# KiCad board rgbwstrip120_250_panel.kicad_pcb (continued)
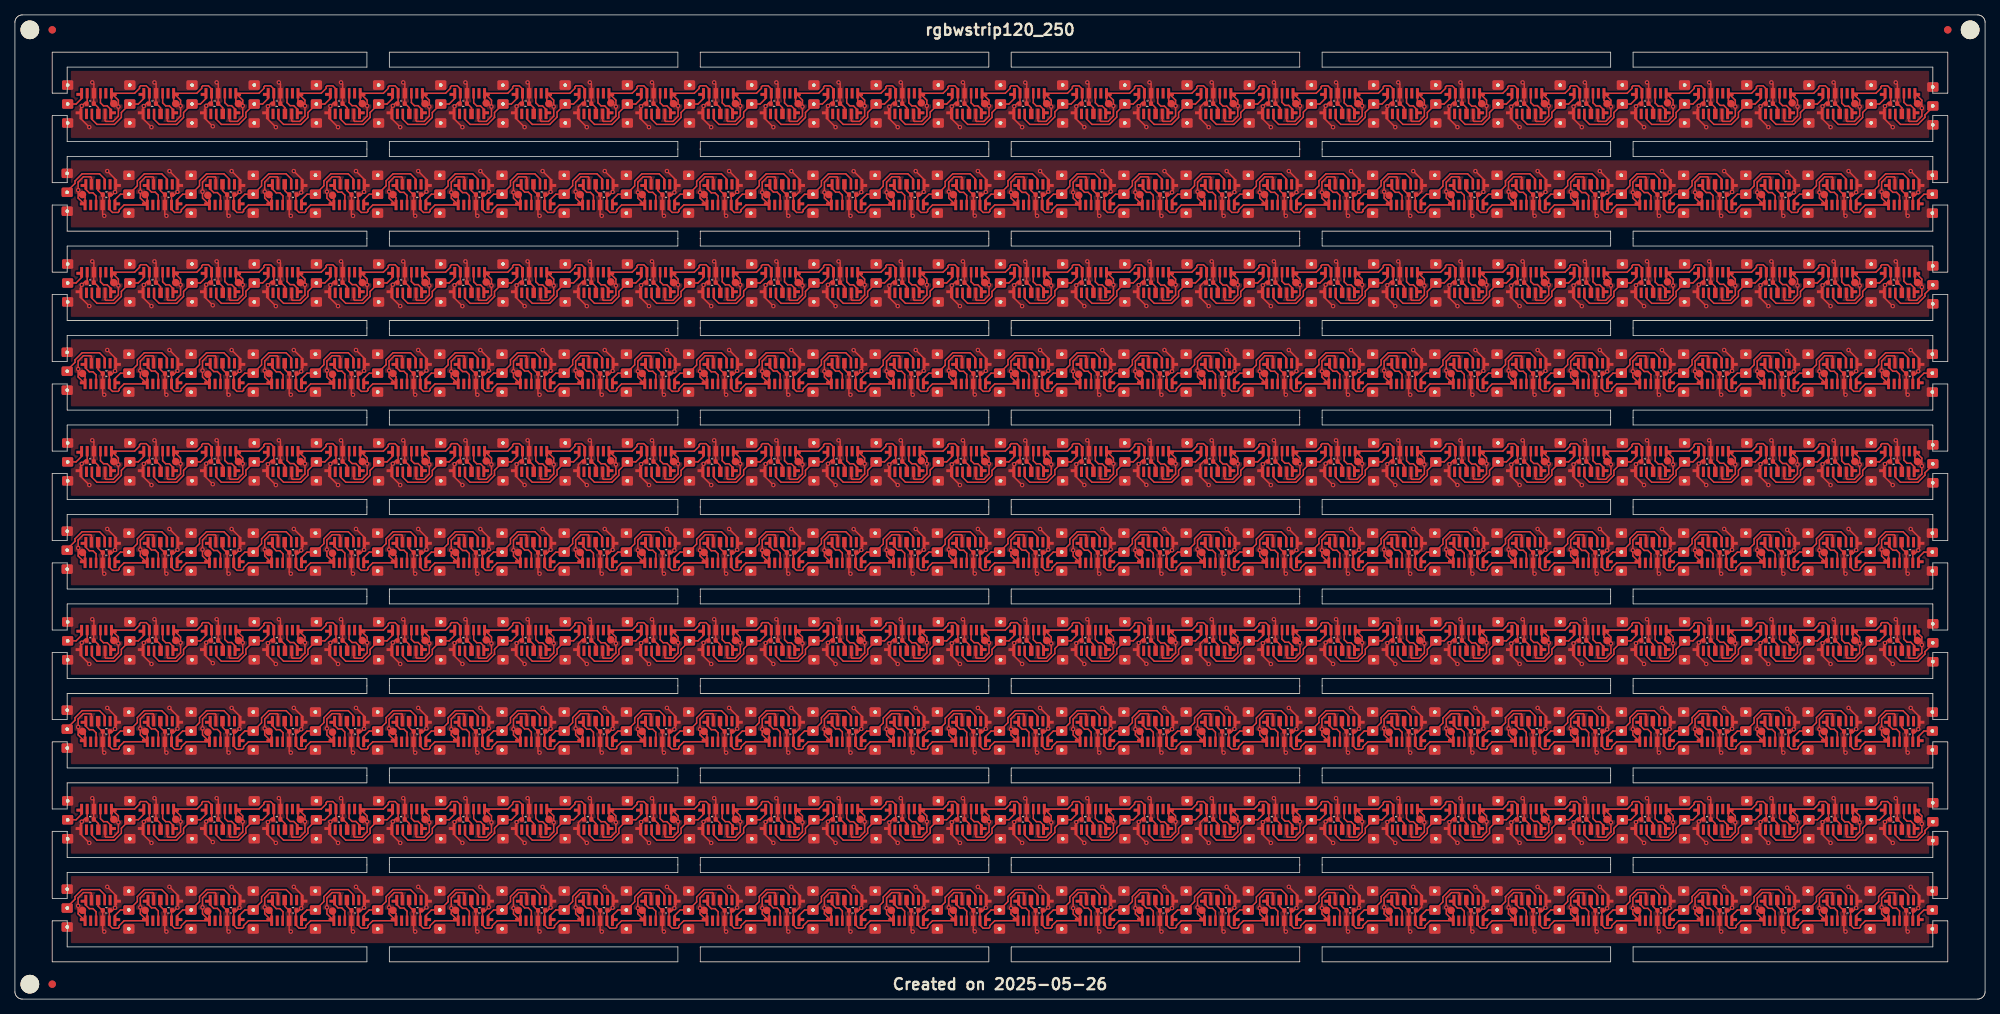
[diagram p0: board, top side]
## Placement (name value [footprint] x y rotation side) (continued)
J13#4  ~  [3PADSPLIT]  156.94 59.95 0 top
J13#5  ~  [3PADSPLIT]  107.06 96.05 180 top
J13#6  ~  [3PADSPLIT]  107.06 72.05 180 top
J13#7  ~  [3PADSPLIT]  107.06 120.05 180 top
J13#8  ~  [3PADSPLIT]  107.06 24.05 180 top
J13#9  ~  [3PADSPLIT]  156.94 11.95 0 top
J13#10  ~  [3PADSPLIT]  156.94 107.95 0 top
J14  ~  [3PADSPLIT]  115.4 48.05 180 top
J14#2  ~  [3PADSPLIT]  115.4 24.05 180 top
J14#3  ~  [3PADSPLIT]  148.6 35.95 0 top
J14#4  ~  [3PADSPLIT]  115.4 72.05 180 top
J14#5  ~  [3PADSPLIT]  115.4 120.05 180 top
J14#6  ~  [3PADSPLIT]  148.6 83.95 0 top
J14#7  ~  [3PADSPLIT]  115.4 96.05 180 top
J14#8  ~  [3PADSPLIT]  148.6 59.95 0 top
J14#9  ~  [3PADSPLIT]  148.6 11.95 0 top
J14#10  ~  [3PADSPLIT]  148.6 107.95 0 top
J15  ~  [3PADSPLIT]  140.27 59.95 0 top
J15#2  ~  [3PADSPLIT]  140.27 107.95 0 top
J15#3  ~  [3PADSPLIT]  123.73 72.05 180 top
J15#4  ~  [3PADSPLIT]  123.73 24.05 180 top
J15#5  ~  [3PADSPLIT]  140.27 83.95 0 top
J15#6  ~  [3PADSPLIT]  123.73 120.05 180 top
J15#7  ~  [3PADSPLIT]  140.27 35.95 0 top
J15#8  ~  [3PADSPLIT]  140.27 11.95 0 top
J15#9  ~  [3PADSPLIT]  123.73 48.05 180 top
J15#10  ~  [3PADSPLIT]  123.73 96.05 180 top
J16  ~  [3PADSPLIT]  132.06 24.05 180 top
J16#2  ~  [3PADSPLIT]  132.06 48.05 180 top
J16#3  ~  [3PADSPLIT]  132.06 96.05 180 top
J16#4  ~  [3PADSPLIT]  131.94 59.95 0 top
J16#5  ~  [3PADSPLIT]  132.06 120.05 180 top
J16#6  ~  [3PADSPLIT]  131.94 35.95 0 top
J16#7  ~  [3PADSPLIT]  131.94 11.95 0 top
J16#8  ~  [3PADSPLIT]  132.06 72.05 180 top
J16#9  ~  [3PADSPLIT]  131.94 83.95 0 top
J16#10  ~  [3PADSPLIT]  131.94 107.95 0 top
J17  ~  [3PADSPLIT]  123.6 107.95 0 top
J17#2  ~  [3PADSPLIT]  140.4 72.05 180 top
J17#3  ~  [3PADSPLIT]  123.6 59.95 0 top
J17#4  ~  [3PADSPLIT]  140.4 24.05 180 top
J17#5  ~  [3PADSPLIT]  140.4 120.05 180 top
J17#6  ~  [3PADSPLIT]  140.4 96.05 180 top
J17#7  ~  [3PADSPLIT]  123.6 35.95 0 top
J17#8  ~  [3PADSPLIT]  140.4 48.05 180 top
J17#9  ~  [3PADSPLIT]  123.6 83.95 0 top
J17#10  ~  [3PADSPLIT]  123.6 11.95 0 top
J18  ~  [3PADSPLIT]  115.27 83.95 0 top
J18#2  ~  [3PADSPLIT]  148.73 96.05 180 top
J18#3  ~  [3PADSPLIT]  115.27 11.95 0 top
J18#4  ~  [3PADSPLIT]  115.27 59.95 0 top
J18#5  ~  [3PADSPLIT]  148.73 72.05 180 top
J18#6  ~  [3PADSPLIT]  148.73 24.05 180 top
J18#7  ~  [3PADSPLIT]  115.27 107.95 0 top
J18#8  ~  [3PADSPLIT]  115.27 35.95 0 top
J18#9  ~  [3PADSPLIT]  148.73 48.05 180 top
J18#10  ~  [3PADSPLIT]  148.73 120.05 180 top
J19  ~  [3PADSPLIT]  157.06 120.05 180 top
J19#2  ~  [3PADSPLIT]  157.06 96.05 180 top
J19#3  ~  [3PADSPLIT]  157.06 72.05 180 top
J19#4  ~  [3PADSPLIT]  106.94 59.95 0 top
J19#5  ~  [3PADSPLIT]  157.06 48.05 180 top
J19#6  ~  [3PADSPLIT]  106.94 35.95 0 top
J19#7  ~  [3PADSPLIT]  106.94 83.95 0 top
J19#8  ~  [3PADSPLIT]  106.94 107.95 0 top
J19#9  ~  [3PADSPLIT]  157.06 24.05 180 top
J19#10  ~  [3PADSPLIT]  106.94 11.95 0 top
J20  ~  [3PADSPLIT]  98.6 11.95 0 top
J20#2  ~  [3PADSPLIT]  165.4 48.05 180 top
J20#3  ~  [3PADSPLIT]  98.6 59.95 0 top
J20#4  ~  [3PADSPLIT]  165.4 96.05 180 top
J20#5  ~  [3PADSPLIT]  165.4 120.05 180 top
J20#6  ~  [3PADSPLIT]  98.6 83.95 0 top
J20#7  ~  [3PADSPLIT]  98.6 107.95 0 top
J20#8  ~  [3PADSPLIT]  165.4 24.05 180 top
J20#9  ~  [3PADSPLIT]  165.4 72.05 180 top
J20#10  ~  [3PADSPLIT]  98.6 35.95 0 top
J21  ~  [3PADSPLIT]  90.27 83.95 0 top
J21#2  ~  [3PADSPLIT]  173.73 48.05 180 top
J21#3  ~  [3PADSPLIT]  173.73 72.05 180 top
J21#4  ~  [3PADSPLIT]  173.73 24.05 180 top
J21#5  ~  [3PADSPLIT]  173.73 120.05 180 top
J21#6  ~  [3PADSPLIT]  90.27 59.95 0 top
J21#7  ~  [3PADSPLIT]  173.73 96.05 180 top
J21#8  ~  [3PADSPLIT]  90.27 107.95 0 top
J21#9  ~  [3PADSPLIT]  90.27 35.95 0 top
J21#10  ~  [3PADSPLIT]  90.27 11.95 0 top
J22  ~  [3PADSPLIT]  182.06 72.05 180 top
J22#2  ~  [3PADSPLIT]  81.94 11.95 0 top
J22#3  ~  [3PADSPLIT]  81.94 59.95 0 top
J22#4  ~  [3PADSPLIT]  81.94 107.95 0 top
J22#5  ~  [3PADSPLIT]  81.94 83.95 0 top
J22#6  ~  [3PADSPLIT]  81.94 35.95 0 top
J22#7  ~  [3PADSPLIT]  182.06 48.05 180 top
J22#8  ~  [3PADSPLIT]  182.06 24.05 180 top
J22#9  ~  [3PADSPLIT]  182.06 120.05 180 top
J22#10  ~  [3PADSPLIT]  182.06 96.05 180 top
J23  ~  [3PADSPLIT]  73.6 83.95 0 top
J23#2  ~  [3PADSPLIT]  190.4 48.05 180 top
J23#3  ~  [3PADSPLIT]  190.4 24.05 180 top
J23#4  ~  [3PADSPLIT]  73.6 35.95 0 top
J23#5  ~  [3PADSPLIT]  73.6 59.95 0 top
J23#6  ~  [3PADSPLIT]  190.4 72.05 180 top
J23#7  ~  [3PADSPLIT]  190.4 96.05 180 top
J23#8  ~  [3PADSPLIT]  73.6 107.95 0 top
J23#9  ~  [3PADSPLIT]  190.4 120.05 180 top
J23#10  ~  [3PADSPLIT]  73.6 11.95 0 top
J24  ~  [3PADSPLIT]  65.27 83.95 0 top
J24#2  ~  [3PADSPLIT]  198.73 120.05 180 top
J24#3  ~  [3PADSPLIT]  65.27 107.95 0 top
J24#4  ~  [3PADSPLIT]  65.27 11.95 0 top
J24#5  ~  [3PADSPLIT]  65.27 35.95 0 top
J24#6  ~  [3PADSPLIT]  65.27 59.95 0 top
J24#7  ~  [3PADSPLIT]  198.73 24.05 180 top
J24#8  ~  [3PADSPLIT]  198.73 48.05 180 top
J24#9  ~  [3PADSPLIT]  198.73 96.05 180 top
J24#10  ~  [3PADSPLIT]  198.73 72.05 180 top
J25  ~  [3PADSPLIT]  207.06 96.05 180 top
J25#2  ~  [3PADSPLIT]  56.94 83.95 0 top
J25#3  ~  [3PADSPLIT]  56.94 59.95 0 top
J25#4  ~  [3PADSPLIT]  207.06 24.05 180 top
J25#5  ~  [3PADSPLIT]  207.06 120.05 180 top
J25#6  ~  [3PADSPLIT]  56.94 107.95 0 top
J25#7  ~  [3PADSPLIT]  207.06 48.05 180 top
J25#8  ~  [3PADSPLIT]  56.94 35.95 0 top
J25#9  ~  [3PADSPLIT]  207.06 72.05 180 top
J25#10  ~  [3PADSPLIT]  56.94 11.95 0 top
J26  ~  [3PADSPLIT]  48.6 35.95 0 top
J26#2  ~  [3PADSPLIT]  215.4 48.05 180 top
J26#3  ~  [3PADSPLIT]  215.4 96.05 180 top
J26#4  ~  [3PADSPLIT]  48.6 107.95 0 top
J26#5  ~  [3PADSPLIT]  215.4 24.05 180 top
J26#6  ~  [3PADSPLIT]  48.6 11.95 0 top
J26#7  ~  [3PADSPLIT]  48.6 83.95 0 top
J26#8  ~  [3PADSPLIT]  215.4 120.05 180 top
J26#9  ~  [3PADSPLIT]  48.6 59.95 0 top
J26#10  ~  [3PADSPLIT]  215.4 72.05 180 top
J27  ~  [3PADSPLIT]  40.27 107.95 0 top
J27#2  ~  [3PADSPLIT]  223.73 48.05 180 top
J27#3  ~  [3PADSPLIT]  40.27 35.95 0 top
J27#4  ~  [3PADSPLIT]  223.73 72.05 180 top
J27#5  ~  [3PADSPLIT]  223.73 96.05 180 top
J27#6  ~  [3PADSPLIT]  223.73 24.05 180 top
J27#7  ~  [3PADSPLIT]  40.27 59.95 0 top
J27#8  ~  [3PADSPLIT]  40.27 11.95 0 top
J27#9  ~  [3PADSPLIT]  40.27 83.95 0 top
J27#10  ~  [3PADSPLIT]  223.73 120.05 180 top
J28  ~  [3PADSPLIT]  232.06 96.05 180 top
J28#2  ~  [3PADSPLIT]  31.94 83.95 0 top
J28#3  ~  [3PADSPLIT]  232.06 72.05 180 top
J28#4  ~  [3PADSPLIT]  31.94 59.95 0 top
J28#5  ~  [3PADSPLIT]  232.06 48.05 180 top
J28#6  ~  [3PADSPLIT]  232.06 24.05 180 top
J28#7  ~  [3PADSPLIT]  31.94 107.95 0 top
J28#8  ~  [3PADSPLIT]  232.06 120.05 180 top
J28#9  ~  [3PADSPLIT]  31.94 11.95 0 top
J28#10  ~  [3PADSPLIT]  31.94 35.95 0 top
J29  ~  [3PADSPLIT]  240.4 96.05 180 top
J29#2  ~  [3PADSPLIT]  23.6 35.95 0 top
J29#3  ~  [3PADSPLIT]  240.4 24.05 180 top
J29#4  ~  [3PADSPLIT]  240.4 120.05 180 top
J29#5  ~  [3PADSPLIT]  23.6 83.95 0 top
J29#6  ~  [3PADSPLIT]  23.6 11.95 0 top
J29#7  ~  [3PADSPLIT]  23.6 107.95 0 top
J29#8  ~  [3PADSPLIT]  240.4 72.05 180 top
J29#9  ~  [3PADSPLIT]  240.4 48.05 180 top
J29#10  ~  [3PADSPLIT]  23.6 59.95 0 top
J30  ~  [3PADSPLIT]  15.27 11.95 0 top
J30#2  ~  [3PADSPLIT]  15.27 83.95 0 top
J30#3  ~  [3PADSPLIT]  248.73 24.05 180 top
J30#4  ~  [3PADSPLIT]  248.73 96.05 180 top
J30#5  ~  [3PADSPLIT]  15.27 35.95 0 top
J30#6  ~  [3PADSPLIT]  248.73 120.05 180 top
J30#7  ~  [3PADSPLIT]  248.73 72.05 180 top
J30#8  ~  [3PADSPLIT]  248.73 48.05 180 top
J30#9  ~  [3PADSPLIT]  15.27 59.95 0 top
J30#10  ~  [3PADSPLIT]  15.27 107.95 0 top
J31  ~  [3PADSPLIT]  7 84.21 0 top
J31#2  ~  [3PADSPLIT]  7 36.21 0 top
J31#3  ~  [3PADSPLIT]  257 95.79 180 top
J31#4  ~  [3PADSPLIT]  257 47.79 180 top
J31#5  ~  [3PADSPLIT]  257 71.79 180 top
J31#6  ~  [3PADSPLIT]  7 108.21 0 top
J31#7  ~  [3PADSPLIT]  257 23.79 180 top
J31#8  ~  [3PADSPLIT]  7 12.21 0 top
J31#9  ~  [3PADSPLIT]  7 60.21 0 top
J31#10  ~  [3PADSPLIT]  257 119.79 180 top
K1  Conn_01x01  [PINPAD]  250.75 59.9 180 top
K1#2  Conn_01x01  [PINPAD]  13.25 24.1 0 top
K1#3  Conn_01x01  [PINPAD]  250.75 11.9 180 top
K1#4  Conn_01x01  [PINPAD]  250.75 107.9 180 top
K1#5  Conn_01x01  [PINPAD]  13.25 120.1 0 top
K1#6  Conn_01x01  [PINPAD]  13.25 96.1 0 top
K1#7  Conn_01x01  [PINPAD]  13.25 48.1 0 top
K1#8  Conn_01x01  [PINPAD]  13.25 72.1 0 top
K1#9  Conn_01x01  [PINPAD]  250.75 35.9 180 top
K1#10  Conn_01x01  [PINPAD]  250.75 83.9 180 top
K2  Conn_01x01  [PINPAD]  71.55 120.1 0 top
K2#2  Conn_01x01  [PINPAD]  192.45 107.9 180 top
K2#3  Conn_01x01  [PINPAD]  71.55 24.1 0 top
K2#4  Conn_01x01  [PINPAD]  71.55 48.1 0 top
K2#5  Conn_01x01  [PINPAD]  192.45 35.9 180 top
K2#6  Conn_01x01  [PINPAD]  71.55 96.1 0 top
K2#7  Conn_01x01  [PINPAD]  71.55 72.1 0 top
K2#8  Conn_01x01  [PINPAD]  192.45 83.9 180 top
K2#9  Conn_01x01  [PINPAD]  192.45 59.9 180 top
K2#10  Conn_01x01  [PINPAD]  192.45 11.9 180 top
K3  Conn_01x01  [PINPAD]  150.75 11.9 180 top
K3#2  Conn_01x01  [PINPAD]  113.25 72.1 0 top
K3#3  Conn_01x01  [PINPAD]  150.75 83.9 180 top
K3#4  Conn_01x01  [PINPAD]  113.25 48.1 0 top
K3#5  Conn_01x01  [PINPAD]  113.25 120.1 0 top
K3#6  Conn_01x01  [PINPAD]  113.25 96.1 0 top
K3#7  Conn_01x01  [PINPAD]  113.25 24.1 0 top
K3#8  Conn_01x01  [PINPAD]  150.75 35.9 180 top
K3#9  Conn_01x01  [PINPAD]  150.75 107.9 180 top
K3#10  Conn_01x01  [PINPAD]  150.75 59.9 180 top
K4  Conn_01x01  [PINPAD]  117.45 11.9 180 top
K4#2  Conn_01x01  [PINPAD]  146.55 96.1 0 top
K4#3  Conn_01x01  [PINPAD]  117.45 83.9 180 top
K4#4  Conn_01x01  [PINPAD]  117.45 35.9 180 top
K4#5  Conn_01x01  [PINPAD]  146.55 72.1 0 top
K4#6  Conn_01x01  [PINPAD]  146.55 48.1 0 top
K4#7  Conn_01x01  [PINPAD]  117.45 107.9 180 top
K4#8  Conn_01x01  [PINPAD]  146.55 120.1 0 top
K4#9  Conn_01x01  [PINPAD]  146.55 24.1 0 top
K4#10  Conn_01x01  [PINPAD]  117.45 59.9 180 top
K5  Conn_01x01  [PINPAD]  100.75 59.9 180 top
K5#2  Conn_01x01  [PINPAD]  100.75 35.9 180 top
K5#3  Conn_01x01  [PINPAD]  163.25 48.1 0 top
K5#4  Conn_01x01  [PINPAD]  100.75 11.9 180 top
K5#5  Conn_01x01  [PINPAD]  163.25 120.1 0 top
K5#6  Conn_01x01  [PINPAD]  100.75 107.9 180 top
K5#7  Conn_01x01  [PINPAD]  163.25 96.1 0 top
K5#8  Conn_01x01  [PINPAD]  100.75 83.9 180 top
K5#9  Conn_01x01  [PINPAD]  163.25 24.1 0 top
K5#10  Conn_01x01  [PINPAD]  163.25 72.1 0 top
K6  Conn_01x01  [PINPAD]  242.45 83.9 180 top
K6#2  Conn_01x01  [PINPAD]  21.55 72.1 0 top
K6#3  Conn_01x01  [PINPAD]  21.55 24.1 0 top
K6#4  Conn_01x01  [PINPAD]  21.55 120.1 0 top
K6#5  Conn_01x01  [PINPAD]  242.45 59.9 180 top
K6#6  Conn_01x01  [PINPAD]  21.55 48.1 0 top
K6#7  Conn_01x01  [PINPAD]  21.55 96.1 0 top
K6#8  Conn_01x01  [PINPAD]  242.45 11.9 180 top
K6#9  Conn_01x01  [PINPAD]  242.45 107.9 180 top
K6#10  Conn_01x01  [PINPAD]  242.45 35.9 180 top
K7  Conn_01x01  [PINPAD]  79.85 24.2 0 top
K7#2  Conn_01x01  [PINPAD]  184.15 11.8 180 top
K7#3  Conn_01x01  [PINPAD]  184.15 107.8 180 top
K7#4  Conn_01x01  [PINPAD]  184.15 59.8 180 top
K7#5  Conn_01x01  [PINPAD]  79.85 96.2 0 top
K7#6  Conn_01x01  [PINPAD]  184.15 83.8 180 top
K7#7  Conn_01x01  [PINPAD]  79.85 48.2 0 top
K7#8  Conn_01x01  [PINPAD]  184.15 35.8 180 top
K7#9  Conn_01x01  [PINPAD]  79.85 120.2 0 top
K7#10  Conn_01x01  [PINPAD]  79.85 72.2 0 top
K8  Conn_01x01  [PINPAD]  138.25 48.1 0 top
K8#2  Conn_01x01  [PINPAD]  125.75 11.9 180 top
K8#3  Conn_01x01  [PINPAD]  138.25 96.1 0 top
K8#4  Conn_01x01  [PINPAD]  125.75 83.9 180 top
K8#5  Conn_01x01  [PINPAD]  138.25 120.1 0 top
K8#6  Conn_01x01  [PINPAD]  125.75 107.9 180 top
K8#7  Conn_01x01  [PINPAD]  138.25 24.1 0 top
K8#8  Conn_01x01  [PINPAD]  138.25 72.1 0 top
K8#9  Conn_01x01  [PINPAD]  125.75 35.9 180 top
K8#10  Conn_01x01  [PINPAD]  125.75 59.9 180 top
K9  Conn_01x01  [PINPAD]  171.65 72.1 0 top
K9#2  Conn_01x01  [PINPAD]  92.35 83.9 180 top
K9#3  Conn_01x01  [PINPAD]  92.35 107.9 180 top
K9#4  Conn_01x01  [PINPAD]  171.65 96.1 0 top
K9#5  Conn_01x01  [PINPAD]  171.65 48.1 0 top
K9#6  Conn_01x01  [PINPAD]  92.35 11.9 180 top
K9#7  Conn_01x01  [PINPAD]  171.65 24.1 0 top
K9#8  Conn_01x01  [PINPAD]  92.35 35.9 180 top
K9#9  Conn_01x01  [PINPAD]  92.35 59.9 180 top
K9#10  Conn_01x01  [PINPAD]  171.65 120.1 0 top
K10  Conn_01x01  [PINPAD]  84.05 11.9 180 top
K10#2  Conn_01x01  [PINPAD]  84.05 35.9 180 top
K10#3  Conn_01x01  [PINPAD]  179.95 72.1 0 top
K10#4  Conn_01x01  [PINPAD]  179.95 96.1 0 top
K10#5  Conn_01x01  [PINPAD]  84.05 59.9 180 top
K10#6  Conn_01x01  [PINPAD]  84.05 107.9 180 top
K10#7  Conn_01x01  [PINPAD]  179.95 24.1 0 top
K10#8  Conn_01x01  [PINPAD]  179.95 48.1 0 top
K10#9  Conn_01x01  [PINPAD]  84.05 83.9 180 top
K10#10  Conn_01x01  [PINPAD]  179.95 120.1 0 top
K11  Conn_01x01  [PINPAD]  54.95 24.1 0 top
K11#2  Conn_01x01  [PINPAD]  209.05 59.9 180 top
K11#3  Conn_01x01  [PINPAD]  54.95 48.1 0 top
K11#4  Conn_01x01  [PINPAD]  209.05 83.9 180 top
K11#5  Conn_01x01  [PINPAD]  209.05 11.9 180 top
K11#6  Conn_01x01  [PINPAD]  54.95 72.1 0 top
K11#7  Conn_01x01  [PINPAD]  209.05 107.9 180 top
K11#8  Conn_01x01  [PINPAD]  54.95 120.1 0 top
K11#9  Conn_01x01  [PINPAD]  209.05 35.9 180 top
K11#10  Conn_01x01  [PINPAD]  54.95 96.1 0 top
K12  Conn_01x01  [PINPAD]  175.75 83.9 180 top
K12#2  Conn_01x01  [PINPAD]  88.25 72.1 0 top
K12#3  Conn_01x01  [PINPAD]  88.25 120.1 0 top
K12#4  Conn_01x01  [PINPAD]  175.75 11.9 180 top
K12#5  Conn_01x01  [PINPAD]  88.25 48.1 0 top
K12#6  Conn_01x01  [PINPAD]  175.75 59.9 180 top
K12#7  Conn_01x01  [PINPAD]  175.75 107.9 180 top
K12#8  Conn_01x01  [PINPAD]  88.25 24.1 0 top
K12#9  Conn_01x01  [PINPAD]  88.25 96.1 0 top
K12#10  Conn_01x01  [PINPAD]  175.75 35.9 180 top
K13  Conn_01x01  [PINPAD]  142.55 35.8 180 top
K13#2  Conn_01x01  [PINPAD]  121.45 72.2 0 top
K13#3  Conn_01x01  [PINPAD]  142.55 83.8 180 top
K13#4  Conn_01x01  [PINPAD]  121.45 96.2 0 top
K13#5  Conn_01x01  [PINPAD]  142.55 107.8 180 top
K13#6  Conn_01x01  [PINPAD]  121.45 24.2 0 top
K13#7  Conn_01x01  [PINPAD]  121.45 48.2 0 top
K13#8  Conn_01x01  [PINPAD]  121.45 120.2 0 top
K13#9  Conn_01x01  [PINPAD]  142.55 11.8 180 top
K13#10  Conn_01x01  [PINPAD]  142.55 59.8 180 top
K14  Conn_01x01  [PINPAD]  188.25 96.1 0 top
K14#2  Conn_01x01  [PINPAD]  75.75 107.9 180 top
K14#3  Conn_01x01  [PINPAD]  188.25 24.1 0 top
K14#4  Conn_01x01  [PINPAD]  75.75 59.9 180 top
K14#5  Conn_01x01  [PINPAD]  75.75 35.9 180 top
K14#6  Conn_01x01  [PINPAD]  75.75 11.9 180 top
K14#7  Conn_01x01  [PINPAD]  188.25 72.1 0 top
K14#8  Conn_01x01  [PINPAD]  188.25 48.1 0 top
K14#9  Conn_01x01  [PINPAD]  188.25 120.1 0 top
K14#10  Conn_01x01  [PINPAD]  75.75 83.9 180 top
K15  Conn_01x01  [PINPAD]  50.65 35.9 180 top
K15#2  Conn_01x01  [PINPAD]  213.35 120.1 0 top
K15#3  Conn_01x01  [PINPAD]  50.65 11.9 180 top
K15#4  Conn_01x01  [PINPAD]  50.65 107.9 180 top
K15#5  Conn_01x01  [PINPAD]  213.35 72.1 0 top
K15#6  Conn_01x01  [PINPAD]  50.65 59.9 180 top
K15#7  Conn_01x01  [PINPAD]  50.65 83.9 180 top
K15#8  Conn_01x01  [PINPAD]  213.35 48.1 0 top
K15#9  Conn_01x01  [PINPAD]  213.35 24.1 0 top
K15#10  Conn_01x01  [PINPAD]  213.35 96.1 0 top
K16  Conn_01x01  [PINPAD]  46.55 120.1 0 top
K16#2  Conn_01x01  [PINPAD]  217.45 11.9 180 top
K16#3  Conn_01x01  [PINPAD]  46.55 72.1 0 top
K16#4  Conn_01x01  [PINPAD]  217.45 107.9 180 top
K16#5  Conn_01x01  [PINPAD]  217.45 59.9 180 top
K16#6  Conn_01x01  [PINPAD]  217.45 35.9 180 top
K16#7  Conn_01x01  [PINPAD]  46.55 48.1 0 top
K16#8  Conn_01x01  [PINPAD]  46.55 24.1 0 top
K16#9  Conn_01x01  [PINPAD]  46.55 96.1 0 top
K16#10  Conn_01x01  [PINPAD]  217.45 83.9 180 top
K17  Conn_01x01  [PINPAD]  159.05 35.9 180 top
K17#2  Conn_01x01  [PINPAD]  104.95 24.1 0 top
K17#3  Conn_01x01  [PINPAD]  104.95 72.1 0 top
K17#4  Conn_01x01  [PINPAD]  159.05 83.9 180 top
K17#5  Conn_01x01  [PINPAD]  104.95 120.1 0 top
K17#6  Conn_01x01  [PINPAD]  159.05 11.9 180 top
K17#7  Conn_01x01  [PINPAD]  104.95 96.1 0 top
K17#8  Conn_01x01  [PINPAD]  159.05 107.9 180 top
K17#9  Conn_01x01  [PINPAD]  104.95 48.1 0 top
K17#10  Conn_01x01  [PINPAD]  159.05 59.9 180 top
K18  Conn_01x01  [PINPAD]  129.95 24.1 0 top
K18#2  Conn_01x01  [PINPAD]  134.05 107.9 180 top
K18#3  Conn_01x01  [PINPAD]  134.05 83.9 180 top
K18#4  Conn_01x01  [PINPAD]  134.05 11.9 180 top
K18#5  Conn_01x01  [PINPAD]  129.95 96.1 0 top
K18#6  Conn_01x01  [PINPAD]  134.05 35.9 180 top
K18#7  Conn_01x01  [PINPAD]  134.05 59.9 180 top
K18#8  Conn_01x01  [PINPAD]  129.95 120.1 0 top
K18#9  Conn_01x01  [PINPAD]  129.95 72.1 0 top
K18#10  Conn_01x01  [PINPAD]  129.95 48.1 0 top
K19  Conn_01x01  [PINPAD]  221.45 120.2 0 top
K19#2  Conn_01x01  [PINPAD]  42.55 11.8 180 top
K19#3  Conn_01x01  [PINPAD]  42.55 35.8 180 top
K19#4  Conn_01x01  [PINPAD]  221.45 72.2 0 top
K19#5  Conn_01x01  [PINPAD]  221.45 24.2 0 top
K19#6  Conn_01x01  [PINPAD]  221.45 96.2 0 top
K19#7  Conn_01x01  [PINPAD]  221.45 48.2 0 top
K19#8  Conn_01x01  [PINPAD]  42.55 59.8 180 top
K19#9  Conn_01x01  [PINPAD]  42.55 107.8 180 top
K19#10  Conn_01x01  [PINPAD]  42.55 83.8 180 top
K20  Conn_01x01  [PINPAD]  238.15 96.2 0 top
K20#2  Conn_01x01  [PINPAD]  238.15 72.2 0 top
K20#3  Conn_01x01  [PINPAD]  25.85 83.8 180 top
K20#4  Conn_01x01  [PINPAD]  25.85 59.8 180 top
K20#5  Conn_01x01  [PINPAD]  238.15 24.2 0 top
K20#6  Conn_01x01  [PINPAD]  25.85 107.8 180 top
K20#7  Conn_01x01  [PINPAD]  238.15 48.2 0 top
K20#8  Conn_01x01  [PINPAD]  25.85 35.8 180 top
K20#9  Conn_01x01  [PINPAD]  25.85 11.8 180 top
K20#10  Conn_01x01  [PINPAD]  238.15 120.2 0 top
K21  Conn_01x01  [PINPAD]  38.25 48.1 0 top
K21#2  Conn_01x01  [PINPAD]  38.25 24.1 0 top
K21#3  Conn_01x01  [PINPAD]  38.25 96.1 0 top
K21#4  Conn_01x01  [PINPAD]  225.75 35.9 180 top
K21#5  Conn_01x01  [PINPAD]  225.75 59.9 180 top
K21#6  Conn_01x01  [PINPAD]  225.75 107.9 180 top
K21#7  Conn_01x01  [PINPAD]  38.25 72.1 0 top
K21#8  Conn_01x01  [PINPAD]  38.25 120.1 0 top
K21#9  Conn_01x01  [PINPAD]  225.75 11.9 180 top
K21#10  Conn_01x01  [PINPAD]  225.75 83.9 180 top
K22  Conn_01x01  [PINPAD]  96.55 24.1 0 top
K22#2  Conn_01x01  [PINPAD]  167.45 35.9 180 top
K22#3  Conn_01x01  [PINPAD]  96.55 96.1 0 top
K22#4  Conn_01x01  [PINPAD]  167.45 107.9 180 top
K22#5  Conn_01x01  [PINPAD]  96.55 48.1 0 top
K22#6  Conn_01x01  [PINPAD]  167.45 83.9 180 top
K22#7  Conn_01x01  [PINPAD]  167.45 11.9 180 top
K22#8  Conn_01x01  [PINPAD]  96.55 72.1 0 top
K22#9  Conn_01x01  [PINPAD]  167.45 59.9 180 top
K22#10  Conn_01x01  [PINPAD]  96.55 120.1 0 top
K23  Conn_01x01  [PINPAD]  196.55 48.1 0 top
K23#2  Conn_01x01  [PINPAD]  67.45 35.9 180 top
K23#3  Conn_01x01  [PINPAD]  196.55 96.1 0 top
K23#4  Conn_01x01  [PINPAD]  67.45 83.9 180 top
K23#5  Conn_01x01  [PINPAD]  196.55 72.1 0 top
K23#6  Conn_01x01  [PINPAD]  196.55 24.1 0 top
K23#7  Conn_01x01  [PINPAD]  67.45 107.9 180 top
K23#8  Conn_01x01  [PINPAD]  67.45 59.9 180 top
K23#9  Conn_01x01  [PINPAD]  196.55 120.1 0 top
K23#10  Conn_01x01  [PINPAD]  67.45 11.9 180 top
K24  Conn_01x01  [PINPAD]  34.05 35.9 180 top
K24#2  Conn_01x01  [PINPAD]  229.95 24.1 0 top
K24#3  Conn_01x01  [PINPAD]  34.05 83.9 180 top
K24#4  Conn_01x01  [PINPAD]  229.95 120.1 0 top
K24#5  Conn_01x01  [PINPAD]  229.95 96.1 0 top
K24#6  Conn_01x01  [PINPAD]  34.05 11.9 180 top
K24#7  Conn_01x01  [PINPAD]  229.95 72.1 0 top
K24#8  Conn_01x01  [PINPAD]  34.05 107.9 180 top
K24#9  Conn_01x01  [PINPAD]  229.95 48.1 0 top
K24#10  Conn_01x01  [PINPAD]  34.05 59.9 180 top
K25  Conn_01x01  [PINPAD]  17.45 35.9 180 top
K25#2  Conn_01x01  [PINPAD]  17.45 59.9 180 top
K25#3  Conn_01x01  [PINPAD]  246.55 96.1 0 top
K25#4  Conn_01x01  [PINPAD]  17.45 83.9 180 top
K25#5  Conn_01x01  [PINPAD]  17.45 11.9 180 top
K25#6  Conn_01x01  [PINPAD]  17.45 107.9 180 top
K25#7  Conn_01x01  [PINPAD]  246.55 24.1 0 top
K25#8  Conn_01x01  [PINPAD]  246.55 72.1 0 top
K25#9  Conn_01x01  [PINPAD]  246.55 48.1 0 top
K25#10  Conn_01x01  [PINPAD]  246.55 120.1 0 top
K26  Conn_01x01  [PINPAD]  234.05 11.9 180 top
K26#2  Conn_01x01  [PINPAD]  29.95 96.1 0 top
K26#3  Conn_01x01  [PINPAD]  234.05 35.9 180 top
K26#4  Conn_01x01  [PINPAD]  29.95 120.1 0 top
K26#5  Conn_01x01  [PINPAD]  234.05 107.9 180 top
K26#6  Conn_01x01  [PINPAD]  29.95 72.1 0 top
K26#7  Conn_01x01  [PINPAD]  29.95 24.1 0 top
K26#8  Conn_01x01  [PINPAD]  29.95 48.1 0 top
K26#9  Conn_01x01  [PINPAD]  234.05 59.9 180 top
K26#10  Conn_01x01  [PINPAD]  234.05 83.9 180 top
K27  Conn_01x01  [PINPAD]  63.15 48.17 0 top
K27#2  Conn_01x01  [PINPAD]  200.85 107.83 180 top
K27#3  Conn_01x01  [PINPAD]  63.15 24.17 0 top
K27#4  Conn_01x01  [PINPAD]  200.85 35.83 180 top
K27#5  Conn_01x01  [PINPAD]  63.15 72.17 0 top
K27#6  Conn_01x01  [PINPAD]  63.15 96.17 0 top
K27#7  Conn_01x01  [PINPAD]  200.85 59.83 180 top
K27#8  Conn_01x01  [PINPAD]  200.85 11.83 180 top
K27#9  Conn_01x01  [PINPAD]  63.15 120.17 0 top
K27#10  Conn_01x01  [PINPAD]  200.85 83.83 180 top
K28  Conn_01x01  [PINPAD]  59.05 107.9 180 top
K28#2  Conn_01x01  [PINPAD]  59.05 11.9 180 top
K28#3  Conn_01x01  [PINPAD]  204.95 72.1 0 top
K28#4  Conn_01x01  [PINPAD]  204.95 24.1 0 top
K28#5  Conn_01x01  [PINPAD]  204.95 48.1 0 top
K28#6  Conn_01x01  [PINPAD]  59.05 83.9 180 top
K28#7  Conn_01x01  [PINPAD]  204.95 120.1 0 top
K28#8  Conn_01x01  [PINPAD]  59.05 35.9 180 top
K28#9  Conn_01x01  [PINPAD]  204.95 96.1 0 top
K28#10  Conn_01x01  [PINPAD]  59.05 59.9 180 top
K29  Conn_01x01  [PINPAD]  254.95 48.1 0 top
K29#2  Conn_01x01  [PINPAD]  9.05 107.9 180 top
K29#3  Conn_01x01  [PINPAD]  9.05 35.9 180 top
K29#4  Conn_01x01  [PINPAD]  9.05 83.9 180 top
K29#5  Conn_01x01  [PINPAD]  9.05 59.9 180 top
K29#6  Conn_01x01  [PINPAD]  254.95 120.1 0 top
K29#7  Conn_01x01  [PINPAD]  9.05 11.9 180 top
K29#8  Conn_01x01  [PINPAD]  254.95 72.1 0 top
K29#9  Conn_01x01  [PINPAD]  254.95 96.1 0 top
K29#10  Conn_01x01  [PINPAD]  254.95 24.1 0 top
K30  Conn_01x01  [PINPAD]  109.05 83.9 180 top
K30#2  Conn_01x01  [PINPAD]  109.05 59.9 180 top
K30#3  Conn_01x01  [PINPAD]  154.95 72.1 0 top
K30#4  Conn_01x01  [PINPAD]  109.05 11.9 180 top
K30#5  Conn_01x01  [PINPAD]  154.95 48.1 0 top
K30#6  Conn_01x01  [PINPAD]  154.95 96.1 0 top
K30#7  Conn_01x01  [PINPAD]  109.05 107.9 180 top
K30#8  Conn_01x01  [PINPAD]  154.95 120.1 0 top
K30#9  Conn_01x01  [PINPAD]  109.05 35.9 180 top
K30#10  Conn_01x01  [PINPAD]  154.95 24.1 0 top
KiKit_FID_B_1  -  [Fiducial]  5 130 180 bottom
KiKit_FID_B_2  -  [Fiducial]  259 130 180 bottom
KiKit_FID_B_3  -  [Fiducial]  5 2 180 bottom
KiKit_FID_T_1  -  [Fiducial]  5 130 0 top
KiKit_FID_T_2  -  [Fiducial]  259 130 0 top
KiKit_FID_T_3  -  [Fiducial]  5 2 0 top
KiKit_TO_1  -  [NPTH]  2 130 0 top
KiKit_TO_2  -  [NPTH]  262 130 0 top
KiKit_TO_3  -  [NPTH]  2 2 0 top
U1  ~  [SK6805SIDE-FRGBW-BW-P6]  10.88 94.72 0 top
U1#2  ~  [SK6805SIDE-FRGBW-BW-P6]  10.88 70.72 0 top
U1#3  ~  [SK6805SIDE-FRGBW-BW-P6]  10.88 118.72 0 top
U1#4  ~  [SK6805SIDE-FRGBW-BW-P6]  253.12 37.28 180 top
U1#5  ~  [SK6805SIDE-FRGBW-BW-P6]  10.88 46.72 0 top
U1#6  ~  [SK6805SIDE-FRGBW-BW-P6]  253.12 109.28 180 top
U1#7  ~  [SK6805SIDE-FRGBW-BW-P6]  253.12 13.28 180 top
U1#8  ~  [SK6805SIDE-FRGBW-BW-P6]  253.12 85.28 180 top
U1#9  ~  [SK6805SIDE-FRGBW-BW-P6]  253.12 61.28 180 top
U1#10  ~  [SK6805SIDE-FRGBW-BW-P6]  10.88 22.72 0 top
U2  ~  [SK6805SIDE-FRGBW-BW-P6]  253.12 10.51 0 top
U2#2  ~  [SK6805SIDE-FRGBW-BW-P6]  253.12 106.51 0 top
U2#3  ~  [SK6805SIDE-FRGBW-BW-P6]  253.12 34.51 0 top
U2#4  ~  [SK6805SIDE-FRGBW-BW-P6]  10.88 49.49 180 top
U2#5  ~  [SK6805SIDE-FRGBW-BW-P6]  10.88 73.49 180 top
U2#6  ~  [SK6805SIDE-FRGBW-BW-P6]  10.88 25.49 180 top
U2#7  ~  [SK6805SIDE-FRGBW-BW-P6]  253.12 82.51 0 top
U2#8  ~  [SK6805SIDE-FRGBW-BW-P6]  10.88 97.49 180 top
U2#9  ~  [SK6805SIDE-FRGBW-BW-P6]  10.88 121.49 180 top
U2#10  ~  [SK6805SIDE-FRGBW-BW-P6]  253.12 58.51 0 top
U3  ~  [SK6805SIDE-FRGBW-BW-P6]  244.78 37.28 180 top
U3#2  ~  [SK6805SIDE-FRGBW-BW-P6]  244.78 13.28 180 top
U3#3  ~  [SK6805SIDE-FRGBW-BW-P6]  19.22 94.72 0 top
U3#4  ~  [SK6805SIDE-FRGBW-BW-P6]  19.22 46.72 0 top
U3#5  ~  [SK6805SIDE-FRGBW-BW-P6]  244.78 61.28 180 top
U3#6  ~  [SK6805SIDE-FRGBW-BW-P6]  244.78 85.28 180 top
U3#7  ~  [SK6805SIDE-FRGBW-BW-P6]  19.22 22.72 0 top
U3#8  ~  [SK6805SIDE-FRGBW-BW-P6]  19.22 118.72 0 top
U3#9  ~  [SK6805SIDE-FRGBW-BW-P6]  19.22 70.72 0 top
U3#10  ~  [SK6805SIDE-FRGBW-BW-P6]  244.78 109.28 180 top
U4  ~  [SK6805SIDE-FRGBW-BW-P6]  19.22 25.49 180 top
U4#2  ~  [SK6805SIDE-FRGBW-BW-P6]  244.78 10.51 0 top
U4#3  ~  [SK6805SIDE-FRGBW-BW-P6]  19.22 97.49 180 top
U4#4  ~  [SK6805SIDE-FRGBW-BW-P6]  19.22 73.49 180 top
U4#5  ~  [SK6805SIDE-FRGBW-BW-P6]  244.78 58.51 0 top
U4#6  ~  [SK6805SIDE-FRGBW-BW-P6]  244.78 106.51 0 top
U4#7  ~  [SK6805SIDE-FRGBW-BW-P6]  244.78 82.51 0 top
U4#8  ~  [SK6805SIDE-FRGBW-BW-P6]  19.22 121.49 180 top
U4#9  ~  [SK6805SIDE-FRGBW-BW-P6]  19.22 49.49 180 top
U4#10  ~  [SK6805SIDE-FRGBW-BW-P6]  244.78 34.51 0 top
U5  ~  [SK6805SIDE-FRGBW-BW-P6]  236.45 109.28 180 top
U5#2  ~  [SK6805SIDE-FRGBW-BW-P6]  236.45 13.28 180 top
U5#3  ~  [SK6805SIDE-FRGBW-BW-P6]  236.45 37.28 180 top
U5#4  ~  [SK6805SIDE-FRGBW-BW-P6]  27.55 22.72 0 top
U5#5  ~  [SK6805SIDE-FRGBW-BW-P6]  27.55 94.72 0 top
U5#6  ~  [SK6805SIDE-FRGBW-BW-P6]  236.45 85.28 180 top
U5#7  ~  [SK6805SIDE-FRGBW-BW-P6]  27.55 118.72 0 top
U5#8  ~  [SK6805SIDE-FRGBW-BW-P6]  27.55 70.72 0 top
U5#9  ~  [SK6805SIDE-FRGBW-BW-P6]  27.55 46.72 0 top
U5#10  ~  [SK6805SIDE-FRGBW-BW-P6]  236.45 61.28 180 top
U6  ~  [SK6805SIDE-FRGBW-BW-P6]  236.45 58.51 0 top
U6#2  ~  [SK6805SIDE-FRGBW-BW-P6]  236.45 34.51 0 top
U6#3  ~  [SK6805SIDE-FRGBW-BW-P6]  27.55 73.49 180 top
U6#4  ~  [SK6805SIDE-FRGBW-BW-P6]  27.55 121.49 180 top
U6#5  ~  [SK6805SIDE-FRGBW-BW-P6]  236.45 82.51 0 top
U6#6  ~  [SK6805SIDE-FRGBW-BW-P6]  236.45 106.51 0 top
U6#7  ~  [SK6805SIDE-FRGBW-BW-P6]  27.55 49.49 180 top
U6#8  ~  [SK6805SIDE-FRGBW-BW-P6]  27.55 25.49 180 top
U6#9  ~  [SK6805SIDE-FRGBW-BW-P6]  27.55 97.49 180 top
U6#10  ~  [SK6805SIDE-FRGBW-BW-P6]  236.45 10.51 0 top
U7  ~  [SK6805SIDE-FRGBW-BW-P6]  228.12 61.28 180 top
U7#2  ~  [SK6805SIDE-FRGBW-BW-P6]  35.88 46.72 0 top
U7#3  ~  [SK6805SIDE-FRGBW-BW-P6]  35.88 94.72 0 top
U7#4  ~  [SK6805SIDE-FRGBW-BW-P6]  228.12 13.28 180 top
U7#5  ~  [SK6805SIDE-FRGBW-BW-P6]  228.12 85.28 180 top
U7#6  ~  [SK6805SIDE-FRGBW-BW-P6]  35.88 22.72 0 top
U7#7  ~  [SK6805SIDE-FRGBW-BW-P6]  35.88 118.72 0 top
U7#8  ~  [SK6805SIDE-FRGBW-BW-P6]  228.12 37.28 180 top
U7#9  ~  [SK6805SIDE-FRGBW-BW-P6]  35.88 70.72 0 top
U7#10  ~  [SK6805SIDE-FRGBW-BW-P6]  228.12 109.28 180 top
U8  ~  [SK6805SIDE-FRGBW-BW-P6]  35.88 49.49 180 top
U8#2  ~  [SK6805SIDE-FRGBW-BW-P6]  228.12 82.51 0 top
U8#3  ~  [SK6805SIDE-FRGBW-BW-P6]  35.88 121.49 180 top
U8#4  ~  [SK6805SIDE-FRGBW-BW-P6]  228.12 34.51 0 top
U8#5  ~  [SK6805SIDE-FRGBW-BW-P6]  35.88 97.49 180 top
U8#6  ~  [SK6805SIDE-FRGBW-BW-P6]  228.12 10.51 0 top
U8#7  ~  [SK6805SIDE-FRGBW-BW-P6]  35.88 25.49 180 top
U8#8  ~  [SK6805SIDE-FRGBW-BW-P6]  228.12 106.51 0 top
U8#9  ~  [SK6805SIDE-FRGBW-BW-P6]  35.88 73.49 180 top
U8#10  ~  [SK6805SIDE-FRGBW-BW-P6]  228.12 58.51 0 top
U9  ~  [SK6805SIDE-FRGBW-BW-P6]  44.22 94.72 0 top
U9#2  ~  [SK6805SIDE-FRGBW-BW-P6]  44.22 118.72 0 top
U9#3  ~  [SK6805SIDE-FRGBW-BW-P6]  219.78 37.28 180 top
U9#4  ~  [SK6805SIDE-FRGBW-BW-P6]  219.78 13.28 180 top
U9#5  ~  [SK6805SIDE-FRGBW-BW-P6]  44.22 22.72 0 top
U9#6  ~  [SK6805SIDE-FRGBW-BW-P6]  219.78 61.28 180 top
U9#7  ~  [SK6805SIDE-FRGBW-BW-P6]  219.78 85.28 180 top
U9#8  ~  [SK6805SIDE-FRGBW-BW-P6]  44.22 70.72 0 top
U9#9  ~  [SK6805SIDE-FRGBW-BW-P6]  44.22 46.72 0 top
U9#10  ~  [SK6805SIDE-FRGBW-BW-P6]  219.78 109.28 180 top
U10  ~  [SK6805SIDE-FRGBW-BW-P6]  44.22 97.49 180 top
U10#2  ~  [SK6805SIDE-FRGBW-BW-P6]  44.22 25.49 180 top
U10#3  ~  [SK6805SIDE-FRGBW-BW-P6]  219.78 58.51 0 top
U10#4  ~  [SK6805SIDE-FRGBW-BW-P6]  44.22 121.49 180 top
U10#5  ~  [SK6805SIDE-FRGBW-BW-P6]  219.78 34.51 0 top
U10#6  ~  [SK6805SIDE-FRGBW-BW-P6]  44.22 73.49 180 top
U10#7  ~  [SK6805SIDE-FRGBW-BW-P6]  219.78 82.51 0 top
U10#8  ~  [SK6805SIDE-FRGBW-BW-P6]  44.22 49.49 180 top
U10#9  ~  [SK6805SIDE-FRGBW-BW-P6]  219.78 106.51 0 top
U10#10  ~  [SK6805SIDE-FRGBW-BW-P6]  219.78 10.51 0 top
U11  ~  [SK6805SIDE-FRGBW-BW-P6]  211.45 61.28 180 top
U11#2  ~  [SK6805SIDE-FRGBW-BW-P6]  52.55 70.72 0 top
U11#3  ~  [SK6805SIDE-FRGBW-BW-P6]  52.55 22.72 0 top
U11#4  ~  [SK6805SIDE-FRGBW-BW-P6]  211.45 37.28 180 top
U11#5  ~  [SK6805SIDE-FRGBW-BW-P6]  52.55 94.72 0 top
U11#6  ~  [SK6805SIDE-FRGBW-BW-P6]  52.55 46.72 0 top
U11#7  ~  [SK6805SIDE-FRGBW-BW-P6]  52.55 118.72 0 top
U11#8  ~  [SK6805SIDE-FRGBW-BW-P6]  211.45 109.28 180 top
U11#9  ~  [SK6805SIDE-FRGBW-BW-P6]  211.45 85.28 180 top
U11#10  ~  [SK6805SIDE-FRGBW-BW-P6]  211.45 13.28 180 top
U12  ~  [SK6805SIDE-FRGBW-BW-P6]  52.55 121.49 180 top
U12#2  ~  [SK6805SIDE-FRGBW-BW-P6]  211.45 34.51 0 top
U12#3  ~  [SK6805SIDE-FRGBW-BW-P6]  52.55 73.49 180 top
U12#4  ~  [SK6805SIDE-FRGBW-BW-P6]  52.55 49.49 180 top
U12#5  ~  [SK6805SIDE-FRGBW-BW-P6]  211.45 106.51 0 top
